# Altium PCB PCB_V2.PcbDoc (part 1 of 3) (continued)
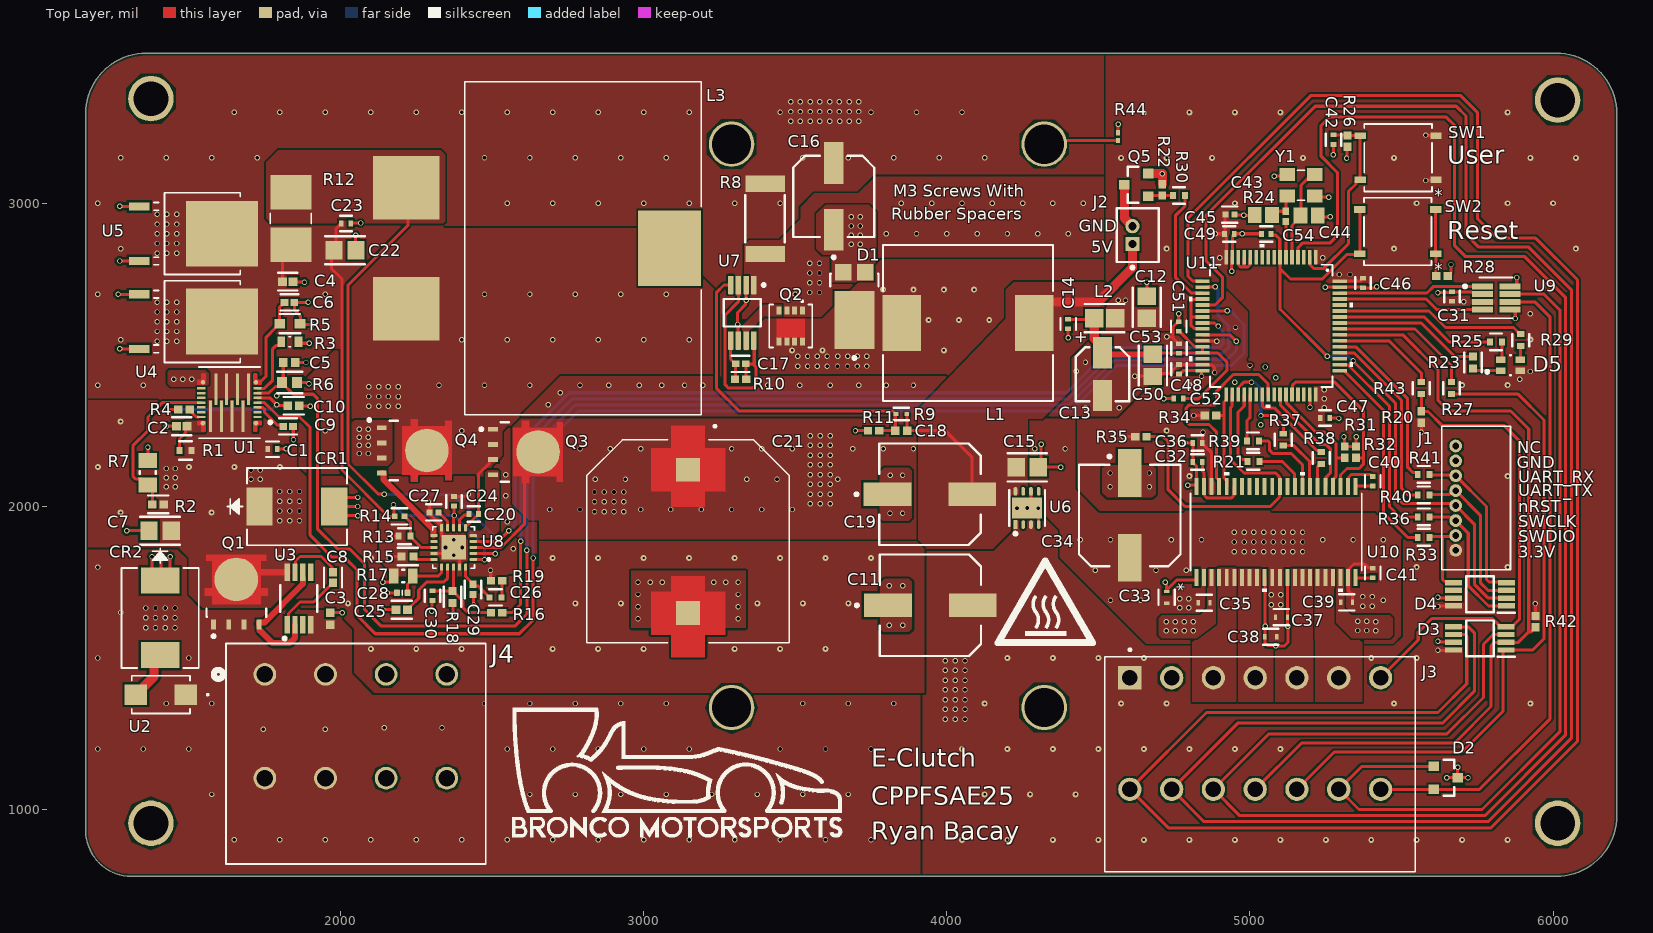
[diagram p0: Top Layer view]
## Footprints (in the part's own frame and the unit in brackets; to place one, negate y for a bottom-side part, rotate by r counter-clockwise, add the part's x,y. Pads: shape width x height; smd on the part's side, far side on the other; paste and mask are expansions set on the pad)
CAP_EEEFK1H102AV [mm]
  rect 2x2 smd paste-2 mask+0: 1(-6,0) 2(6,0)
  Top Layer region: 7.8,1.4 9.7,1.4 9.7,-1.4 7.8,-1.4 7.8,-3.1 4.2,-3.1 4.2,-1.4 2.9,-1.4 2.9,1.4 4.2,1.4 4.2,3.1 7.8,3.1
  Top Layer region: -4.2,1.4 -2.9,1.4 -2.9,-1.4 -4.2,-1.4 -4.2,-3.1 -7.8,-3.1 -7.8,-1.4 -9.7,-1.4 -9.7,1.4 -7.8,1.4 -7.8,3.1 -4.2,3.1
  silkscreen extent -9.75,-8.5 8.5,8.5, body extent -9.2,-8.5 9.2,8.5, height 16.8
CAPC0402(1005)60_L [mm] "Chip Capacitor, Body 1.0x0.5mm, Height 0.6mm, IPC High Density"
  rrect25% 0.5x0.55 smd: 1(-0.45,0) 2(0.45,0)
  silkscreen extent 0,-0.2 0,0.2, body extent -0.5,-0.25 0.5,0.25, height 0.6
CAPC1005X55X25ML05T05 [mm] "Chip Capacitor, 2-Leads, Body 1.00x0.50mm, IPC Low Density"
  rect 0.72x0.72 smd: 1(-0.51,0) 2(0.51,0)
  body extent -0.53,-0.28 0.53,0.27, height 0.55
CAPC2013X94X50LL20T25 [mm] "Chip Capacitor, 2-Leads, Body 2.01x1.25mm, IPC High Density"
  rect 1.15x1.35 smd: 1(-0.725,0) 2(0.725,0)
  body extent -1.1,-0.72 1.1,0.72, height 0.94
CONN08_530480810_MOL [mil]
  round 42 hole 22: 1(0,0) 2(49,0) 3(98,0) 4(148,0) 5(197,0) 6(246,0) 7(295,0) 8(344,0)
  silkscreen extent -64,-181 409,46, body extent -59,-176 404,41, height 140
CONN_1017493 [mil]
  round 75 / inner round 60 / far side round 75 hole 55 paste-99999 mask+0: 1(-600,342.52) 2(-600,0) 3(-400,342.52) 4(-400,0) 5(-200,342.52) 6(-200,0) 7(0,342.52) 8(0,0)
  silkscreen extent -768,-283 128,444, body extent -716,-275 116,434, height 748
DDF0008A-IPC_A [mm]
  rect 1.757x0.5 smd paste+0 mask+0: 1(-1.151,0.975) 2(-1.151,0.325) 3(-1.151,-0.325) 4(-1.151,-0.975) 5(1.151,-0.975) 6(1.151,-0.325) 7(1.151,0.325) 8(1.151,0.975)
  silkscreen extent -2.73,-1.7 1.4,1.7, body extent -1.41,-1.45 1.41,1.45, height 0.9
DGK0008A_M [mm] "TSOP, 8-Leads, Body 3.1x3.1mm, Pitch 0.65mm, IPC Low Density"
  rrect22% 1.55x0.45 smd: 1(-2.325,0.975) 2(-2.325,0.325) 3(-2.325,-0.325) 4(-2.325,-0.975) 5(2.325,-0.975) 6(2.325,-0.325) 7(2.325,0.325) 8(2.325,0.975)
  silkscreen extent -2.45,-1.55 1.15,1.92, body extent -2.45,-1.5 2.45,1.5, height 0.94
DMP2008UFG-7_DIO [mm]
  rect 0.7x0.42 smd paste+0 mask+0: 1(-1.3,0.975) 2(-1.3,0.325) 3(-1.3,-0.325) 4(-1.3,-0.975) 5(1.3,-0.975) 6(1.3,-0.325) 7(1.3,0.325) 8(1.3,0.975)
  Top Layer region: -0.599,-1.185 -0.599,1.185 0.95,1.185 0.95,-1.185
  silkscreen extent -2.15,-1.8 1.8,1.8, body extent -1.65,-1.65 1.65,1.65, height 0.9
FP-0402-L_1_0_0_05-W_0_5-IPC_B [mil]
  rect 24.23x22.54 smd paste+0 mask+0: 1(-16.87,0) 2(16.87,0)
  silkscreen extent -29,-27 29,27, body extent -35,-17 35,17, height 10
FP-AC0402-IPC_A [mil]
  rect 28.16x26.48 smd paste+0 mask+0: 1(-18.84,0) 2(18.84,0)
  silkscreen extent -33,-29 33,29, body extent -41,-21 41,21, height 10
FP-B2B-ZR-3_4_LF_SN-MFG [mm]
  rect 1.2x1.2 hole 0.7 paste-2539.97 mask+0: 1(0.75,-0.45)
  round 1.2 hole 0.7 paste-2539.97 mask+0: 2(-0.75,-0.45)
  silkscreen extent -2.25,-1.75 2.85,1.75, body extent -2.35,-1.85 2.35,1.85, height 0.25
FP-C1005-050-0_05-IPC_B [mil]
  rect 25.17x22.54 smd paste+0 mask+0: 1(-16.4,0) 2(16.4,0)
  silkscreen extent -29,-27 29,27, body extent -35,-17 35,17, height 10
FP-CC0402-MFG [mm]
  rect 0.5x0.5 smd paste+0 mask+0: 1(-0.5,0) 2(0.5,0)
  silkscreen extent -0.53,-0.68 0.53,0.67, body extent -0.87,-0.48 0.87,0.48, height 0.25
FP-CGA2B-IPC_C [mm]
  rect 0.272x0.472 smd paste+0 mask+0: 1(-0.5,0) 2(0.5,0)
  silkscreen extent -0.64,-0.67 0.64,0.67, body extent -0.74,-0.38 0.74,0.38, height 0.25
FP-CL21-IPC_A [mil]
  rect 57.27x61.27 smd paste+0 mask+0: 1(-36.45,0) 2(36.45,0)
  silkscreen extent -65,-46 65,46, body extent -85,-50 85,50, height 10
FP-CL829-IPC_C [mil]
  rect 20.29x18.6 smd paste+0 mask+0: 1(-14.9,0) 2(14.9,0)
  silkscreen extent -25,-27 25,27, body extent -29,-15 29,15, height 10
FP-CRCW0402-e3-IPC_A [mil]
  rect 26.31x26.48 smd paste+0 mask+0: 1(-19.77,0) 2(19.77,0)
  silkscreen extent -33,-29 33,29, body extent -41,-21 41,21, height 10
FP-CSRN2512-IPC_B [mil]
  rect 53.33x130.24 smd paste+0 mask+0: 1(-116.17,0) 2(116.17,0)
  silkscreen extent -78,-65 78,65, body extent -153,-75 153,75, height 10
FP-DGK0008A-MFG [mm]
  rect 1.45x0.45 smd paste+0 mask+0: 1(-2.2,0.975) 2(-2.2,0.325) 3(-2.2,-0.325) 4(-2.2,-0.975) 5(2.2,-0.975) 6(2.2,-0.325) 7(2.2,0.325) 8(2.2,0.975)
  silkscreen extent -3.47,-1.55 1.1,1.55, body extent -3.03,-1.8 3.03,1.8, height 0.25
FP-DRB0008J-IPC_C [mm]
  rect 0.731x0.302 smd paste+0 mask+0: 1(-1.391,0.975)
  rrect100% 0.731x0.302 smd paste+0 mask+0: 2(-1.391,0.325) 3(-1.391,-0.325) 4(-1.391,-0.975) 5(1.391,-0.975) 6(1.391,-0.325) 7(1.391,0.325) 8(1.391,0.975)
  rect 1.75x2.5 smd paste-1000 mask+0: 9(0,0)
  silkscreen extent -2.28,-1.5 1.5,1.5, body extent -1.86,-1.6 1.86,1.6, height 0.25
FP-EAST1616RGBB2-MFG [mm]
  rect 0.8x0.55 smd paste+0 mask+0: 1(-0.8,-0.45) 2(-0.8,0.45) 3(0.8,0.45) 4(0.8,-0.45)
  silkscreen extent -2.07,-0.85 0.03,0.85, body extent -1.3,-0.95 1.3,0.95, height 0.25
FP-ERJ2RK-IPC_A [mil]
  rect 26.31x26.48 smd paste+0 mask+0: 1(-19.77,0) 2(19.77,0)
  silkscreen extent -33,-29 33,29, body extent -41,-21 41,21, height 10
FP-FKF-MFG [mm]
  rect 4x2 smd paste+0 mask+0: 1(-3.55,0) 2(3.55,0)
  silkscreen extent -6.27,-4.25 4.25,4.25, body extent -5.8,-4.5 5.8,4.5, height 0.25
FP-GCM155-0_1-IPC_A [mil]
  rect 29.91x28.04 smd paste+0 mask+0: 1(-18.75,0) 2(18.75,0)
  silkscreen extent -34,-30 34,30, body extent -42,-22 42,22, height 10
FP-GRM155-0_1-MFG [mm]
  rect 0.4x0.5 smd paste+0 mask+0: 1(-0.4,0) 2(0.4,0)
  silkscreen extent -0.53,-0.65 0.53,0.65, body extent -0.7,-0.38 0.7,0.38, height 0.25
FP-GRM155-0_2-IPC_B [mil]
  rect 28.67x27.8 smd paste+0 mask+0: 1(-17.28,0) 2(17.28,0)
  silkscreen extent -32,-30 32,30, body extent -38,-20 38,20, height 10
FP-GRM155-0_05-MFG [mm]
  rect 0.4x0.5 smd paste+0 mask+0: 1(-0.4,0) 2(0.4,0)
  silkscreen extent -0.5,-0.65 0.5,0.65, body extent -0.7,-0.38 0.7,0.38, height 0.25
FP-GRT155-0_05-IPC_A [mil]
  rect 28.16x26.48 smd paste+0 mask+0: 1(-18.84,0) 2(18.84,0)
  silkscreen extent -33,-29 33,29, body extent -41,-21 41,21, height 10
FP-MLZ2012-1_25-IPC_A [mil]
  rect 61.2x61.27 smd paste+0 mask+0: 1(-34.48,0) 2(34.48,0)
  silkscreen extent -65,-46 65,46, body extent -85,-50 85,50, height 10
FP-OS-CON-SMT-C6-MFG [mm]
  rect 3.5x1.6 smd paste+0 mask+0: 1(-2.8,0) 2(2.8,0)
  silkscreen extent -5.22,-3.4 3.4,3.4, body extent -4.8,-3.65 4.8,3.65, height 0.25
FP-PowerDI5-MFG [mm]
  rect 1.4x1.39 smd paste+0 mask+0: 1(-2.856,0.92) 3(-2.856,-0.92)
  rect 4.86x3.36 smd paste+0 mask+0: 2(1.126,0)
  silkscreen extent -2.73,-2.02 4.45,2.02, body extent -3.66,-2.12 3.66,2.12, height 0.25
FP-RC0402-MFG [mm]
  rect 0.5x0.6 smd paste+0 mask+0: 1(-0.5,0) 2(0.5,0)
  silkscreen extent -0.53,-0.67 0.53,0.67, body extent -0.85,-0.4 0.85,0.4, height 0.25
FP-RG1608-IPC_C [mil]
  rect 33.66x35.68 smd paste+0 mask+0: 1(-24.63,0) 2(24.63,0)
  silkscreen extent -41,-35 41,35, body extent -45,-24 45,24, height 10
FP-RK73H1E-MFG [mm]
  rect 0.4x0.3 smd paste+0 mask+0: 1(-0.45,0) 2(0.45,0)
  silkscreen extent -0.64,-0.53 0.64,0.53, body extent -0.75,-0.38 0.75,0.38, height 0.25
FP-RN73R1E-IPC_C [mil]
  rect 19.2x18.6 smd paste+0 mask+0: 1(-16.3,0) 2(16.3,0)
  silkscreen extent -26,-27 26,27, body extent -30,-15 30,15, height 10
FP-RP73P-1E-MFG [mm]
  rect 0.5x0.6 smd paste+0 mask+0: 1(-0.5,0) 2(0.5,0)
  silkscreen extent -0.53,-0.77 0.53,0.75, body extent -0.85,-0.4 0.85,0.4, height 0.25
FP-RT0402-MFG [mm]
  rect 0.5x0.6 smd paste+0 mask+0: 1(-0.5,0) 2(0.5,0)
  silkscreen extent -0.5,-0.71 0.5,0.7, body extent -0.85,-0.4 0.85,0.4, height 0.25
FP-RT0603-MFG [mm]
  rect 0.9x0.8 smd paste+0 mask+0: 1(-0.85,0) 2(0.85,0)
  silkscreen extent -0.85,-0.81 0.86,0.8, body extent -1.4,-0.55 1.4,0.55, height 0.25
FP-S19-0643-SINGLE-MFG [mm]
  rect 0.41x0.82 smd paste+0 mask+0: 1(-1.905,-2.895) 2(-0.635,-2.895) 3(0.635,-2.895) 4(1.905,-2.895)
  round 3.655 smd paste+0 mask+0: 5(0,0.881)
  Top Layer region: -2.5,2.945 2.5,2.945 2.5,2.435 2.03,2.435 2.03,0.125 2.625,0.125 2.625,-0.485 2.03,-0.485 2.03,-1.195 -2.03,-1.195 -2.03,-0.485 -2.625,-0.485 -2.625,0.125 -2.03,0.125 -2.03,2.435 -2.5,2.435
  silkscreen extent -2.5,-4 2.5,-1.57, body extent -2.73,-3.4 2.73,3.05, height 0.25
FP-SOT23-MFG [mm]
  rect 0.9x0.8 smd paste+0 mask+0: 1(-1,0.95) 2(-1,-0.95) 3(1,0)
  silkscreen extent -0.18,-1.5 0.7,1.5, body extent -1.55,-1.6 1.55,1.6, height 0.25
HTSSOP44_DDV_TEX [mil]
  rect 55.5x13 smd paste+0 mask+0: 1(-149.75,262.5) 2(-149.75,237.5) 3(-149.75,212.5) 4(-149.75,187.5) 5(-149.75,162.5) 6(-149.75,137.5) 7(-149.75,112.5) 8(-149.75,87.5) 9(-149.75,62.5) 10(-149.75,37.5) 11(-149.75,12.5) 12(-149.75,-12.5) 13(-149.75,-37.5) 14(-149.75,-62.5) 15(-149.75,-87.5) 16(-149.75,-112.5) 17(-149.75,-137.5) 18(-149.75,-162.5) 19(-149.75,-187.5) 20(-149.75,-212.5) 21(-149.75,-237.5) 22(-149.75,-262.5) 23(149.75,-262.5) 24(149.75,-237.5) 25(149.75,-212.5) 26(149.75,-187.5) 27(149.75,-162.5) 28(149.75,-137.5) 29(149.75,-112.5) 30(149.75,-87.5) 31(149.75,-62.5) 32(149.75,-37.5) 33(149.75,-12.5) 34(149.75,12.5) 35(149.75,37.5) 36(149.75,62.5) 37(149.75,87.5) 38(149.75,112.5) 39(149.75,137.5) 40(149.75,162.5) 41(149.75,187.5) 42(149.75,212.5) 43(149.75,237.5) 44(149.75,262.5)
  silkscreen extent -198,-282 197,282, body extent -159,-276 159,275, height 44
IND_PA4343PM4343_FP2_PUL [mil]
  rect 126x185 smd paste+0 mask+0: 1(-218.5,0) 2(218.5,0)
  silkscreen extent -281,-257 281,257, body extent -266,-246 266,246, height 256
IND_PQ2614BLA-4R7K [mm]
  rect 5.33x5.59 smd: 1(-5.075,-14.355) 2(5.075,-14.355)
  rect 6.35x5.28 smd: MP(0,7.72)
  silkscreen extent -13.95,-9.44 13.95,10.36, body extent -13.4,-16.9 13.4,10.27, height 15
LQFP64-10x10mm_STM [mil]
  rect 47x12 smd paste+0 mask+0: 1(-226.38,147.64) 2(-226.38,127.95) 3(-226.38,108.27) 4(-226.38,88.58) 5(-226.38,68.9) 6(-226.38,49.21) 7(-226.38,29.53) 8(-226.38,9.84) 9(-226.38,-9.84) 10(-226.38,-29.53) 11(-226.38,-49.21) 12(-226.38,-68.9) 13(-226.38,-88.58) 14(-226.38,-108.27) 15(-226.38,-127.95) 16(-226.38,-147.64) 33(226.38,-147.64) 34(226.38,-127.95) 35(226.38,-108.27) 36(226.38,-88.58) 37(226.38,-68.9) 38(226.38,-49.21) 39(226.38,-29.53) 40(226.38,-9.84) 41(226.38,9.84) 42(226.38,29.53) 43(226.38,49.21) 44(226.38,68.9) 45(226.38,88.58) 46(226.38,108.27) 47(226.38,127.95) 48(226.38,147.64)
  rect 12x47 smd paste+0 mask+0: 17(-147.64,-226.38) 18(-127.95,-226.38) 19(-108.27,-226.38) 20(-88.58,-226.38) 21(-68.9,-226.38) 22(-49.21,-226.38) 23(-29.53,-226.38) 24(-9.84,-226.38) 25(9.84,-226.38) 26(29.53,-226.38) 27(49.21,-226.38) 28(68.9,-226.38) 29(88.58,-226.38) 30(108.27,-226.38) 31(127.95,-226.38) 32(147.64,-226.38) 49(147.64,226.38) 50(127.95,226.38) 51(108.27,226.38) 52(88.58,226.38) 53(68.9,226.38) 54(49.21,226.38) 55(29.53,226.38) 56(9.84,226.38) 57(-9.84,226.38) 58(-29.53,226.38) 59(-49.21,226.38) 60(-68.9,226.38) 61(-88.58,226.38) 62(-108.27,226.38) 63(-127.95,226.38) 64(-147.64,226.38)
  silkscreen extent -270,-270 270,270, body extent -236,-236 236,236, height 63
PHOENIX_1841542 [mm]
  rect 1.95x1.95 / inner round 1.95 / far side rect 1.95x1.95 hole 1.3: 1(2.1,16.25)
  round 1.95 hole 1.3: 2(2.1,6.9) 3(5.6,16.25) 4(5.6,6.9) 5(9.1,16.25) 6(9.1,6.9) 7(12.6,16.25) 8(12.6,6.9) 9(16.1,16.25) 10(16.1,6.9) 11(19.6,16.25) 12(19.6,6.9) 13(23.1,16.25) 14(23.1,6.9)
  silkscreen extent 0,0 26,18.7, body extent 0.08,0 26.08,18, height 24.2
RES_ERA3AEB6040V [mm]
  rect 0.65x0.9 smd: 1(-0.725,0) 2(0.725,0)
  silkscreen extent -0.08,-0.4 0.08,0.4, body extent -0.8,-0.4 0.8,0.4, height 0.45
RESC0603X26X15NL03T05 [mm] "Chip Resistor, 2-Leads, Body 0.60x0.30mm, IPC Medium Density"
  rect 0.45x0.35 smd: 1(-0.325,0) 2(0.325,0)
  body extent -0.32,-0.16 0.32,0.17, height 0.26
RESC1005X40X25ML05T10 [mm] "Chip Resistor, 2-Leads, Body 1.00x0.50mm, IPC Low Density"
  rect 0.7x0.65 smd: 1(-0.475,0) 2(0.475,0)
  body extent -0.53,-0.27 0.53,0.28, height 0.4
RESC1005X40X25NL05T10 [mm] "Chip Resistor, 2-Leads, Body 1.00x0.50mm, IPC Medium Density"
  rect 0.6x0.55 smd: 1(-0.425,0) 2(0.425,0)
  body extent -0.53,-0.27 0.53,0.28, height 0.4
RESC2013X60X30ML20T20 [mm] "Chip Resistor, 2-Leads, Body 2.00x1.25mm, IPC Low Density"
  rect 1.25x1.55 smd: 1(-1.025,0) 2(1.025,0)
  silkscreen extent -0.1,-0.67 0.1,0.67, body extent -1.1,-0.72 1.1,0.72, height 0.6
RESC2013X60X35LL10T20 [mm] "Chip Resistor, 2-Leads, Body 2.00x1.25mm, IPC High Density"
  rect 0.8x1.25 smd: 1(-0.8,0) 2(0.8,0)
  silkscreen extent -0.1,-0.53 0.1,0.53, body extent -1.05,-0.67 1.05,0.67, height 0.6
RESC6331X87N [mm]
  rect 2.9x3.44 smd: 1(-2.206,0) 2(2.206,0)
  silkscreen extent -0.43,-1.72 0.43,1.72, body extent -3.17,-1.59 3.17,1.59, height 0.85
RGR0020C-IPC_A [mm]
  rrect42% 0.6x0.24 smd paste-1 mask+0: 1(-1.65,1) 2(-1.65,0.5) 3(-1.65,0) 4(-1.65,-0.5) 5(-1.65,-1) 11(1.65,-1) 12(1.65,-0.5) 13(1.65,0) 14(1.65,0.5) 15(1.65,1)
  rrect42% 0.24x0.6 smd paste-1 mask+0: 6(-1,-1.65) 7(-0.5,-1.65) 8(0,-1.65) 9(0.5,-1.65) 10(1,-1.65) 16(1,1.65) 17(0.5,1.65) 18(0,1.65) 19(-0.5,1.65) 20(-1,1.65)
  rrect5% 2.05x2.05 smd paste-2 mask+0: 21(0,0)
  silkscreen extent -3.05,-1.75 1.75,1.75, body extent -1.76,-1.76 1.74,1.74, height 1
RQP0026A-MFG [mm]
  round 0.394 smd paste-0.184 mask+0: 1(-2.219,1.719) 22(2.219,1.719)
  rect 0.7x0.2 smd paste+0 mask+0: 2(-2.35,1.2) 3(-2.35,0.8) 4(-2.35,0.4) 5(-2.35,0) 6(-2.35,-0.4) 7(-2.35,-0.8) 8(-2.35,-1.2) 15(2.35,-1.2) 16(2.35,-0.8) 17(2.35,-0.4) 18(2.35,0) 19(2.35,0.4) 20(2.35,0.8) 21(2.35,1.2)
  round 0.371 smd paste-0.173 mask+0: 9(-2.219,-1.706) 14(2.219,-1.706)
  rect 0.25x2.65 smd paste-1.312 mask+0: 10(-1.582,-1.125) 11(-0.677,-1.125) 12(0.228,-1.125) 13(1.132,-1.125) 23(1.582,1.125) 24(0.677,1.125) 25(-0.228,1.125) 26(-1.132,1.125)
  Top Layer region: 2.05,-1.5 2.65,-1.5 2.7,-1.55 2.7,-1.85 2.65,-1.9 2.35,-1.9 2.35,-2.4 2.3,-2.45 2.05,-2.45 2,-2.4 2,-1.55
  Top Layer region: 2.05,1.5 2.65,1.5 2.7,1.55 2.7,1.85 2.65,1.9 2.35,1.9 2.35,2.4 2.3,2.45 2.05,2.45 2,2.4 2,1.55
  Top Layer region: -2.05,-1.5 -2.65,-1.5 -2.7,-1.55 -2.7,-1.85 -2.65,-1.9 -2.35,-1.9 -2.35,-2.4 -2.3,-2.45 -2.05,-2.45 -2,-2.4 -2,-1.55
  Top Layer region: -2.05,1.5 -2.65,1.5 -2.7,1.55 -2.7,1.85 -2.65,1.9 -2.35,1.9 -2.35,2.4 -2.3,2.45 -2.05,2.45 -2,2.4 -2,1.55
  silkscreen extent -3.55,-2.98 2.55,2.98, body extent -2.5,-2.25 2.5,2.25, height 1
SMA_UNI_STM [mil]
  rect 74x67 smd paste+0 mask+0: 1(-82.5,0) 2(82.5,0)
  silkscreen extent -158,-63 96,63, body extent -100,-51 100,51, height 104
SMDJSeries_LTF [mil]
  rect 86x126 smd paste+0 mask+0: 1(-123,0) 2(123,0)
  silkscreen extent -230,-128 165,128, body extent -156,-116 156,116, height 103
"SON4_PTS526 SM15 SMTR2 LFS_CNK" [mil]
  rect 37.42x22 smd paste+0 mask+0: 1(-125.21,72.83) 2(-125.21,-72.83) 3(125.21,-72.83) 4(125.21,72.83)
  silkscreen extent -112,-112 112,112, body extent -130,-106 130,106, height 63
SOP65P490X110-8N [mm]
  rect 1.425x0.45 smd: 1(-2.212,0.975) 2(-2.212,0.325) 3(-2.212,-0.325) 4(-2.212,-0.975) 5(2.212,-0.975) 6(2.212,-0.325) 7(2.212,0.325) 8(2.212,0.975)
  silkscreen extent -2.93,-1.5 1.15,1.55, body extent -2.4,-1.5 2.5,1.5, height 1.1
TO252_DIO [mil]
  rect 27x69 smd paste+0 mask+0: 1(-90,-207.93) 2(90,-207.93)
  rect 217x237 smd paste+0 mask+0: 3(0,64.5)
  silkscreen extent -135,-159 135,125, body extent -130,-228 130,169, height 91
WCAP-ASLI_D4H5.5 [mm] "Aluminium Electrolytic V-Chip SMT Capacitors, 4x5.5mm"
  rect 2.6x1.6 smd: 1(-1268.2,-1270) 2(-1271.8,-1270)
  silkscreen extent -1272.25,-1272.25 -1267.75,-1267.75, body extent -1272.5,-1272.15 -1267.5,-1267.85, height 5.5
XTAL_ECS-250-12-33Q-JES-TR [mm]
  rect 1.3x1.1 smd: 1(-1.15,-0.9) 2(1.15,-0.9) 3(1.15,0.9) 4(-1.15,0.9)
  silkscreen extent -0.3,-1.25 0.3,1.25, body extent -1.6,-1.25 1.6,1.25, height 0.8

## Part data
C1 C24 C32 C41 C52 C53: library part CMP-06035-041084-1, "Chip Multilayer Ceramic Capacitors for General Purpose, 0402, 1.0uF, X5R, 15%, 10%, 50V"
C2 C4 C8: library part CMP-06035-001793-1, "Chip Multilayer Ceramic Capacitors for General Purpose, 0402, 2.2uF, X5R, 15%, 10%, 16V", Case Code (Imperial)=0402, Case Code (Metric)=1005, Max Operating Temperature=85°C, Min Operating Temperature=-55°C, Tolerance=10%, Voltage Rating=16V, Capacitance=2.2uF, Case/Package=0402, Height=0.3mm, Lead Free="Lead Free", Length=0.039inch, Material=Ceramic, Mount="Surface Mount", Packaging="Tape and Reel", Thickness=0.022inch, Voltage Rating (DC)=16V, Width=0.02inch
C3 C5: library part CMP-2008-01232-1, "Multilayer Ceramic Capacitor, 100 pF, 25 V, ± 10%, X7R, 0402 [1005 Metric]", Manufacturer=Vitramon, Part Number=VJ0402Y101KXXPW1BC
C6 C17: library part CMP-08246-005584-1, "Multilayer Ceramic Capacitors 1nF ±5% 100V C0G SMD 0402", Case Code (Imperial)=0402, Case Code (Metric)=1005, Dielectric=C0G, Max Operating Temperature=125°C, Min Operating Temperature=-55°C, Package Quantity=10000, Tolerance=5%, Voltage Rating=100V, Capacitance=1nF, Case/Package=0402, Height=0.5mm, Length=0.039inch, Mount="Surface Mount", Packaging="Tape and Reel", RoHS Compliant=Yes, Termination=SMD/SMT, Thickness=0.022inch, Voltage Rating (DC)=100V, Weight=2.3E-05oz, Width=0.5mm
C7 C12 C15 C22 C50: library part CMP-13271-002975-1, "CL21 Series 0805 10uF 25V ±10% Tolerance X5R Multilayer Ceramic Chip Capacitor", Case Code (Imperial)=0805, Case Code (Metric)=2012, Dielectric=X5R, Max Operating Temperature=85°C, Min Operating Temperature=-55°C, Package Quantity=1, Tolerance=10%, Voltage Rating=25V, Capacitance=10uF, Case/Package=0805, Depth=1.25mm, Height=1.25mm, Length=2mm, Mount="Surface Mount", Packaging="Tape and Reel", Radiation Hardening=No, Thickness=0.057inch, Width=0.049inch
C9: library part CMP-08246-006396-1, "Multilayer Ceramic Capacitors 47nF ±10% 35V X7R SMD 0402", Case Code (Imperial)=0402, Case Code (Metric)=1005, Dielectric=X7R, Dielectric Material=Ceramic, Max Operating Temperature=125°C, Min Operating Temperature=-55°C, Package Quantity=1, Tolerance=10%, Voltage Rating=35V, Capacitance=47nF, Case/Package=0402, Construction=Flat, Depth=0.5mm, Height=0.5mm, Lead Free="Lead Free", Length=1mm, Mount="Surface Mount", Packaging="Tape and Reel", RoHS Compliant=Yes, Series=C, Termination=SMD/SMT, Thickness=0.022inch, Voltage Rating (DC)=35V, Weight=2.3E-05oz, Width=0.02inch
C10: library part CMP-06035-035184-1, "Multi-Layer Ceramic Capacitor 15nF 50V X7R ±10% 0402 Paper T/R"
C11 C19 C34: library part CMP-2000-06208-3, "Radial Can - SMD ALUMINUM ELECTROLYTIC CAPACITOR FK 50V 100muF ±20% 0.315Dia 8.00mm", Case/Package=Radial, Dielectric Material=Aluminium, ESR (Equivalent Series Resistance)=340mR, Leakage Current=3uA, Max Operating Temperature=105°C, Min Operating Temperature=-55°C, Package Quantity=1, Ripple Current=350mA, Tolerance=20%, Voltage=50V, Capacitance=100uF, Construction=Cylindrical, Contact Plating=Tin, Diameter=8mm, Height=10.2mm, Height - Seated (Max)=0.402inch, Impedance=340mR, Lead Free="Lead Free", Length=10.2mm, Life (Hours)=2000Hour, Material=Aluminium, Mount="Surface Mount", Number of Pins=2, Packaging="Tape and Reel", Radiation Hardening=No, REACH SVHC="No SVHC", Ripple Current (AC)=350mA, RoHS Compliant=Yes, Series=FK, Termination=SMD/SMT, Voltage Rating=50V, Voltage Rating (DC)=50V, Width=10mm
C13: library part CMP-03913-53914566-1, "865080340001 WCAP-ASLI Aluminum Electrolytic Capacitors", Capacitance=10µF, Case/Package=Radial, ESR (Equivalent Series Resistance)=1.66693Ω, Insulation Resistance=5.33333MΩ, Leakage Current=3µA, Max Operating Temperature=105°C, Min Operating Temperature=-55°C, Ripple Current=80mA, Tolerance=20%, Voltage Rating=16V, Diameter=4mm, Height=5.5mm, Height - Seated (Max)=5.5118mm, Impedance=2.2Ω, Lead Free="Lead Free", Length=5.5mm, Life (Hours)=2000hours, Mount="Surface Mount", NexarPartId=53914566, Packaging="Tape & Reel (TR)", Polarity=Polar, REACH SVHC=Unknown, Ripple Current (AC)=80mA, RoHS=Compliant, Voltage Rating (DC)=16V, Width=4.3mm
C14 C20 C23 C30 C31 C36 C40 C42 C46 C47 C48 C49 C51 C54: library part CMP-06035-023139-1, "Chip Multilayer Ceramic Capacitors for General Purpose, 0402, 0.10uF, B, 10%, 10%, 50V", Capacitance=100nF, Tolerance=10%, Voltage Rating (DC)=50V, Lead Free="Lead Free", Length=1mm, Thickness=500um, Width=500um
C16: library part CMP-05428-000702-1, "Conductive Polymer Aluminum Solid Capacitors (OS-CON) 27uF ±20% 20V", Capacitance=27uF, Case/Package=Radial, ESR (Equivalent Series Resistance)=60mR, Leakage Current=108uA, Max Operating Temperature=105°C, Min Operating Temperature=-55°C, Package Quantity=1000, Ripple Current=1.45A, Tolerance=20%, Voltage=20V, Construction=Cylindrical, Diameter=6.3mm, Dissipation Factor=10%, Height=5.9mm, Height - Seated (Max)=0.236inch, Length=5.9mm, Life (Hours)=2000Hour, Mount="Surface Mount", Number of Pins=6, Packaging="Tape and Reel", Polarity=Polar, REACH SVHC="No SVHC", Ripple Current (AC)=1.45A, RoHS Compliant=Yes, Series="OS-CON™, SVP", Termination=SMD/SMT, Voltage Rating=20V, Voltage Rating (DC)=20V
C18: library part CMP-2008-01232-1, "VJ0402Y101KXXPW1BC Vishay Multilayer Ceramic Capacitor, 100 pF, 25 V, ± 10%, X7R, 0402 [1005 Metric]", Manufacturer=Vitramon, Part Number=VJ0402Y101KXXPW1BC
C21: library part CMP-001-00086-1, "1000ÂµF 50V Aluminum Electrolytic Capacitors Radial, Can - SMD 73mOhm @ 100kHz 5000 Hrs @ 105Â°C", Case/Package="RADIAL-2 Panasonic", Availability="In Stock", Check_prices=https://www.snapeda.com/parts/EEE-FK1H102AV/Panasonic/view-part/?ref=eda, Component Type=Standard, Design Item ID=EEEFK1H102AV, MF=Panasonic, MP=EEE-FK1H102AV, Pins=2, Price=None, SnapEDA_Link=https://www.snapeda.com/parts/EEE-FK1H102AV/Panasonic/view-part/?ref=snap, Source=EEEFK1H102AV.SchLib
C25: library part CMP-06035-004538-1, "Ceramic Capacitor for Automotive 470nF ±20% 10VDC X7S 0402 Paper T/R"
C26: library part CMP-03422-000890-1, "CAP CER 3900PF 50V X7R 0402", Capacitance="3.9 nF", Manufacturer=YAGEO, Manufacturer Part Number=CC0402KRX7R9BB392, Package=CC0402, Temperature="-55°C to +125°C", Temperature Characteristic=X7R, Temperature Coefficient=30ppm/°C, Temperature Range High=+125°C, Temperature Range Low=-55°C, Tolerance=0.1, Voltage Rating="50 V", Automotive=No, Automotive Grade=NA, Category=Cap, ComponentLink2Description=Datasheet, ComponentLink2URL=http://www.yageo.com/documents/recent/UPY-GP_NP0_16V-to-50V_16.pdf, Device Class L1="Passive Components", Device Class L2=Capacitors, Device Class L3="Ceramic Capacitors", Digikey Description="CAP CER 3900PF 50V X7R 0402", Footprint Url=http://www.yageo.com/exep/pages/download/literatures/UPY-C_GEN_24.pdf, Height=0.55mm, Ipc Land Pattern Name=CAPC10050X50, Lead Free=Yes, Material=Ceramic, Mouser Description="Multilayer Ceramic Capacitors MLCC - SMD/SMT 3.9nF 50V X7R 10%", Octopart=https://octopart.com/cc0402krx7r9bb392-yageo-9291741, RoHS=TRUE
C27 C45: library part CMP-13271-001468-1, "Cap Ceramic 4.7uF 16V X5R ±20% SMD 0402 +85°C Paper T/R", Case Code (Imperial)=0402, Case Code (Metric)=1005, Max Operating Temperature=85°C, Min Operating Temperature=-55°C, Tolerance=20%, Voltage Rating=16V, Capacitance=4.7uF, Case/Package=0402, Length=0.039inch, Mount="Surface Mount", Packaging="Tape and Reel", Thickness=0.022inch, Width=0.02inch
C28: library part CMP-001-00060-4, "Chip Capacitor, 470nF +/-40%, 10V, 0402, Thickness 0.6 mm", Case/Package=0402, Max Operating Temperature=85°C, Min Operating Temperature=-55°C, Tolerance=20%, Voltage Rating=10V, Mounting Technology=SMT, Pins=2
C29: library part CMP-14477-001820-2, "Multilayer Ceramic Capacitor 0.022uF 16V 10% 0402 Paper T/R", RoHS Compliant=Yes
C33 C35 C37 C38 C39: library part CMP-08246-000752-1, "Cap Ceramic 10nF 50V X7R 20% Pad SMD 0402 +125°C Automotive T/R", Capacitance=10nF, Case Code (Imperial)=0402, Case Code (Metric)=1005, Dielectric=X7R, Max Operating Temperature=125°C, Min Operating Temperature=-55°C, Package Quantity=10000, Ratings=AEC-Q200, Tolerance=20%, Voltage Rating=50V, Case/Package=0402, Height=0.5mm, Length=0.039inch, Mount="Surface Mount", Packaging="Tape and Reel", Thickness=0.022inch, Voltage Rating (DC)=50V, Weight=2.3E-05oz, Width=0.02inch
C43 C44: library part CMP-2007-04490-1, "Cap Ceramic 15pF 50V C0G 1% SMD 0805 125°C Paper T/R", Manufacturer="AVX Interconnect / Elco", Part Number=08055A150FAT2A
CR1 CR2: library part CMP-025-000000-3, "Description", Manufacturer_Name="Littelfuse Inc", Copyright="Copyright (C) 2025 Ultra Librarian. All rights reserved.", Design Item ID=SMDJ16A, Manufacturer_Part_Number=SMDJ16A, Source=SMDJ16A.SchLib
D1: library part CMP-12790-000077-1, "DIODE SCHOTTKY 60V 7A POWERDI5", Average Rectified Current=7A, Forward Voltage=560mV, Max Forward Surge Current (Ifsm)=275A, Max Operating Temperature=150°C, Max Repetitive Reverse Voltage (Vrrm)=60V, Min Operating Temperature=-65°C, Package Quantity=5000, Peak Reverse Current=20mA, Contact Plating=Tin, Element Configuration=Single, Forward Current=7A, Max Reverse Voltage (DC)=60V, Mount="Surface Mount", Number of Pins=5, Packaging="Tape and Reel", Peak Non-Repetitive Surge Current=275A, Weight=0.003386oz
D2: library part CMP-12828-000016-1, "TVS DIODE 24V 41V SOT23", Breakdown Voltage=25.4V, Capacitance=25pF, Clamping Voltage=41V, Manufacturer="Diodes Inc.", Max Junction Temp=+150°C, Package=SOT23, Peak Pulse Current=5A, Peak Pulse Power=230W, Reverse Standoff Voltage=24V, Temperature="-65°C to +150°C", Temperature Range Low=-65°C, Automotive=Yes, Automotive Grade="Grade 0", Category=Diode, ComponentLink2Description=Datasheet, ComponentLink2URL=https://www.diodes.com/assets/Datasheets/DESD2CAN2SOQ.pdf, Device Class L1="Circuit Protection", Device Class L2="TVS Diodes", Device Class L3=unset, Digikey Description="TVS DIODE 24V 41V SOT23", Direction=Bidirectional, Footprint Url=https://www.diodes.com/assets/Package-Files/SOT23.pdf, Height=1.1mm, Lead Free=Yes, Manufacturer Part Number=DESD2CAN2SOQ-7, Mouser Description="ESD Suppressors / TVS Diodes Dual CAN Bus ESD 25pF 24V 25.4V", Number Of Channels=2, Octopart=https://octopart.com/desd2can2soq-7-diodes+inc.-53081564, RoHS=TRUE, Standoff Height=0.013mm, Temperature Range High=+150°C
D3 D4: library part CMP-004-00033-2, "ESD Suppressors / TVS Diodes TVS Low Cap ESD 0.32pF 5V 4A 10Vc", Manufacturer_Name="Diodes Incorporated", Mouser Part Number=621-DT6250-06MR-13, Datasheet Link=https://www.diodes.com//assets/Datasheets/DT6250-06MR.pdf, Design Item ID=DT6250-06MR-13, Geometry.Height=1.1mm, Manufacturer_Part_Number=DT6250-06MR-13, Mouser Price/Stock=https://www.mouser.co.uk/ProductDetail/Diodes-Incorporated/DT6250-06MR-13?qs=wtVJq%252Be05r%252BwT706hxu0BA%3D%3D, Source=DT6250-06MR-13.SchLib
D5: library part CMP-51564-000002-1, "LED RGB DIFFUSED 4SMD", Colour="Blue, Green, Red", Forward Current=5mA, Forward Voltage=3/3/2.1V, Manufacturer=Everlight, Package=0, Power Dissipation=95/95/60mW, Reverse Voltage=5V, Temperature="-40°C to +85°C", Temperature Range High=+85°C, Temperature Range Low=-40°C, Automotive=No, Category=Diode, ComponentLink2Description=Datasheet, ComponentLink2URL=https://everlightamericas.com/index.php?controller=attachment&id_attachment=2426, Device Class L1=Optoelectronics, Device Class L2=LEDs, Device Class L3=unset, Digikey Description="LED RGB DIFFUSED 4SMD", Height=0.45mm, Lead Free=Yes, Led Orientation="Top View", Luminous Intensity=36/140/45mcd, Manufacturer Part Number=EAST1616RGBB2, Octopart=https://octopart.com/east1616rgbb2-everlight-80328051, Peak Emmision Wavelength=468/518/632nm, RoHS=TRUE, Viewing Angle=120°, Wavelength=475/535/628nm
J1: library part CMP-002-00077-2, "Conn Shrouded Header (4 Sides) HDR 8 POS 1.25mm Solder RA Thru-Hole PicoBladeâ„¢ Tray", Case/Package=None, Check_prices=https://www.snapeda.com/parts/530480810/Molex/view-part/?ref=eda, Component Type=Standard, Design Item ID=530480810, MF=Molex, MP=530480810, Pins=8, SnapEDA_Link=https://www.snapeda.com/parts/530480810/Molex/view-part/?ref=snap, Source=530480810.SchLib
J2: library part CMP-17439-000601-1, "CONN HEADER VERT 2POS 1.5MM", Flammability Rating="UL94 V-0", Insulation Color=Natural, Voltage Rating=50V, Connector Type=Header, Contact Finish - Mating=TIN, Contact Material=Brass, Contact Shape=Circular, Contact Type="Male Pin", Fastening Type=Detent, Insulation Material=Nylon, Lead Free="Lead Free", Mated Stacking Heights=5.6mm, Mount="Through Hole", Number of Positions=2, Number of Rows=1, Packaging=Bulk, Pitch=1.5mm, Series=ZH, Termination=Press-Fit
J3: library part CMP-076-000000-2, "PCB Terminal Push-In 3.5mm 16AWG 200V 10A 7 Position Combicon Control Series", Package=None, Check_prices=https://www.snapeda.com/parts/1841542/Phoenix+Contact/view-part/?ref=eda, Component Type=Standard, Design Item ID=1841542, MF="Phoenix Contact", MP=1841542, Pin Count=14, SnapEDA_Link=https://www.snapeda.com/parts/1841542/Phoenix+Contact/view-part/?ref=snap, Source=1841542.SchLib
J4: library part CMP-069-000000-2, "PCB terminal block, nominal current: 32 A, nom. voltage: 400 V, pitch: 5.08 mm, number of positions: 4, connection method: Push-in spring connection, mounting: Wave soldering, conductor/PCB connection direction: 0 Â°, color: green", Manufacturer_Name="Phoenix Contact", Copyright="Copyright (C) 2025 Ultra Librarian. All rights reserved.", Design Item ID=1017505, Manufacturer_Part_Number=1017505, RefDes=RefDes, Source=1017505.SchLib, Type=Type
L1: library part CMP-006-00027-2, "Description", Manufacturer_Name="Pulse Electronics Corporation", Manufacturer_Part_Number=PM4343.473NLT, Copyright="Copyright (C) 2025 Ultra Librarian. All rights reserved.", Design Item ID=PM4343.473NLT, Source=PM4343P473NLT.SchLib
L2: library part CMP-08253-000331-1, "Shielded Multilayer Inductor 22uH ±20% 300mA 871mΩ AEC-Q200 SMD 0805", Case Code (Imperial)=0805, Case Code (Metric)=2012, Current Rating=300mA, DC Resistance (DCR)=871mR, Inductance=22uH, Max Operating Temperature=125°C, Min Operating Temperature=-55°C, Package Quantity=2000, Ratings=AEC-Q200, Resistance=0.871R, Saturation Current=70mA, Test Frequency=2MHz, Tolerance=20%, Case/Package=0805, Core Material=Ferrite, Height=1.25mm, Height - Seated (Max)=0.057inch, Lead Free="Lead Free", Length=0.079inch, Max DC Current=300mA, Mount="Surface Mount", Packaging="Tape and Reel", RoHS Compliant=Yes, Shielding=Shielded, Termination=SMD/SMT, Weight=0.000194oz, Width=0.049inch
L3: library part CMP-006-00025-5, Case/Package=None, Availability=Unavailable, Component Type=Standard, Design Item ID=PQ2614BLA-4R7K, MF="{'manufacturer': u'Bourns Inc.'}", MP=PQ2614BLA-4R7K, Pins=2, Price=None, Source=PQ2614BLA-4R7K.SchLib
Q1 Q3 Q4: library part CMP-02550-000158-2, "MOSFET N-CH 80V 60A POWERPAKSO-8"
Q2: library part CMP-022-000000-3, "Description", Manufacturer_Name="Diodes Inc", Copyright="Copyright (C) 2025 Ultra Librarian. All rights reserved.", Design Item ID=DMP2008UFG-7, Manufacturer_Part_Number=DMP2008UFG-7, RefDes=RefDes, Source=DMP2008UFG-7.SchLib, Type=Type